# Altium PCB KlusterLab r2.0.PcbDoc (part 5 of 22)
Units mm, origin at the board's own origin, x right, y up, seen from the top; angles counter-clockwise.
Board outline 232 x 250 mm, 12 copper layers (L1 Top, L2 Inner1 (GND), L3 Inner2 (Sig), L4 Inner3 (GND), L5 Inner4 (PWR), L6 Inner5 (PWR), L7 Inner6 (PWR), L8 Inner7 (PWR), L9 Inner8 (GND), L10 Inner9 (Sig), L11 Inner10 (GND), L12 Bottom), stack 1.614 mm thick; 1169 components, 852 nets, 4679 pads, 5115 vias.
Unrouted connection lines stored in the file: 1.
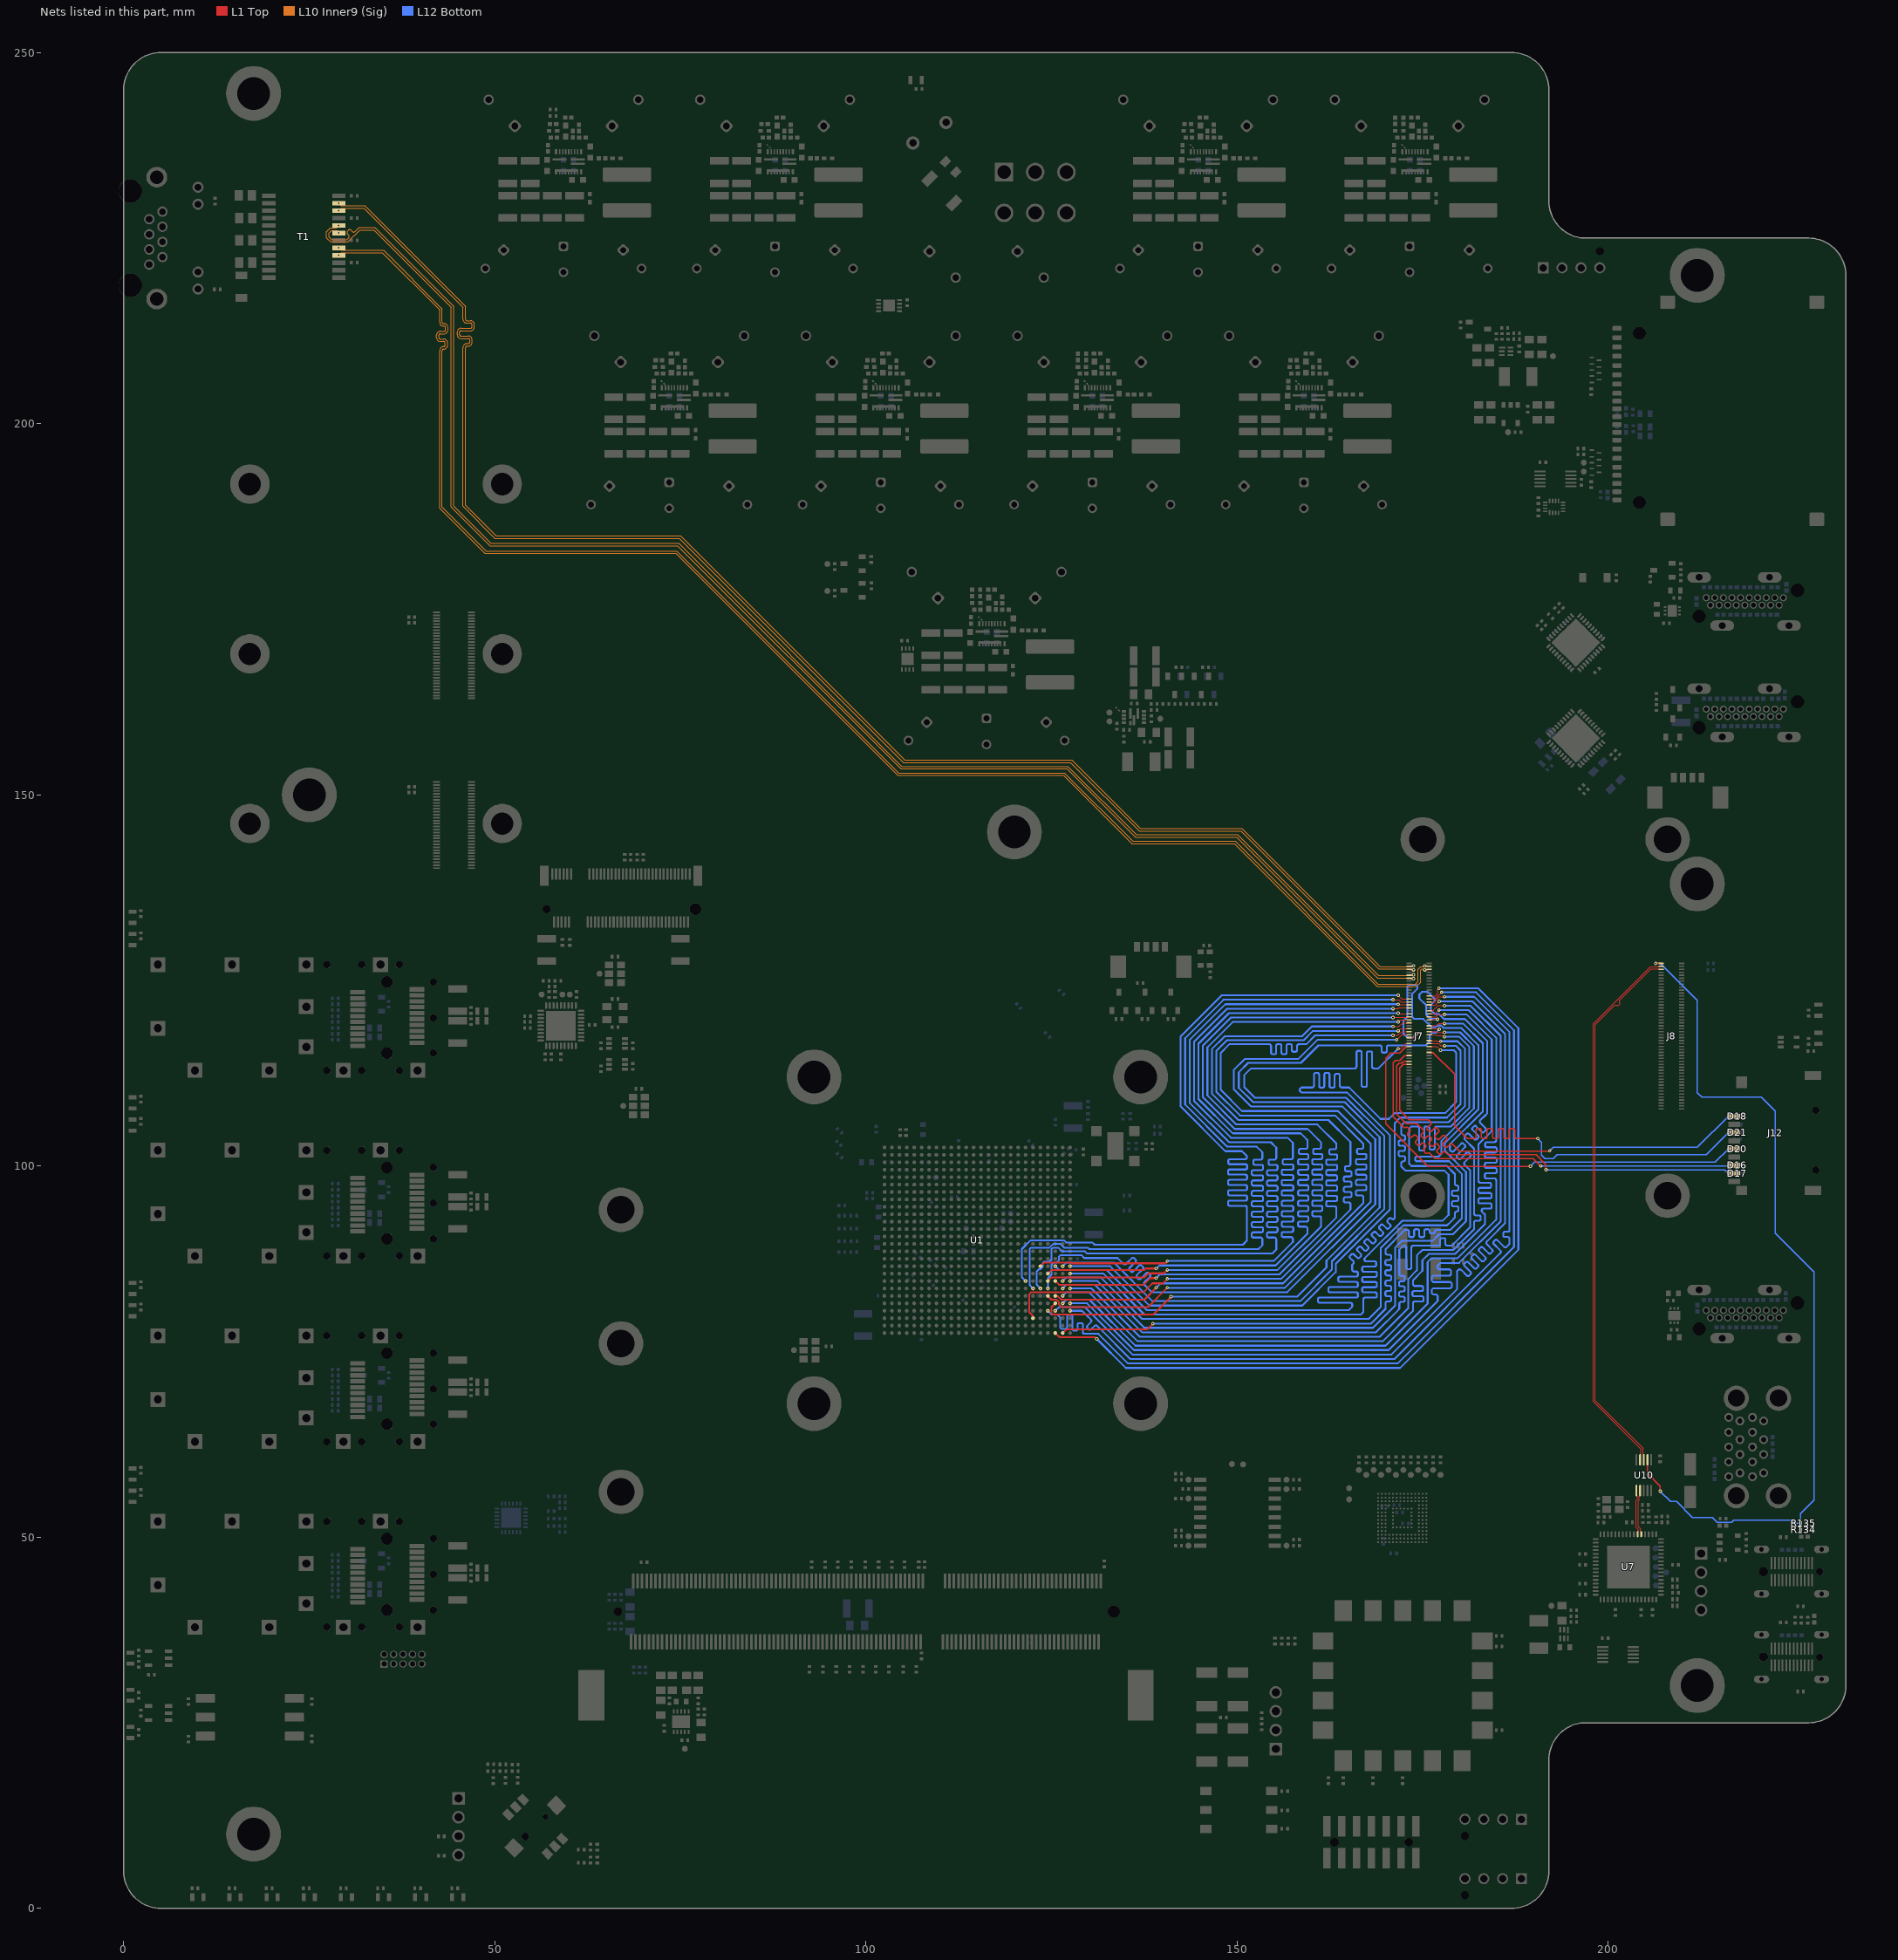
[diagram p15: the nets of this part, all layers, seen from the top]

## Via types
v1: diameter 0.45, hole 0.2, L1 Top to L12 Bottom, tented both sides, 4200 vias
v2: diameter 0.6, hole 0.3, L1 Top to L12 Bottom, tented both sides, 908 vias
v3: diameter 0.4, hole 0.2, L1 Top to L12 Bottom, tented both sides, 7 vias

## Nets (pads, with @x,y where several pads share a name; then routed paths per layer and width w, separated by ;. In a path a pad name is that pad's centre, name@x,y a point inside that pad or via, vN(x,y) a via of type N, cw(c..) or ccw(c..) an arc to the next point about the centre after c; other vN are vias at no path point) (continued)
CM4_GBE_MDI1_N: J7.6 T1.16 | length 208.3
  L1 Top w0.114: v1(175.278,126.424) 175.316,126.462 175.842,126.462 J7.6@175.88,126.5
  L10 Inner9 (Sig) w0.1: v1(28.97,222.7) 29.305,223.035 34.848,223.035 42.57,215.313 42.57,213.892 42.57,213.677 ccw(c43.11,213.677) 43.11,213.137 43.162,213.137 cw(c43.162,212.927) 43.372,212.927 43.372,212.647 cw(c43.162,212.647) 43.162,212.437 42.671,212.437 ccw(c42.671,211.897) 42.131,211.897 42.131,211.617 ccw(c42.671,211.617) 42.671,211.077 43.11,211.077 cw(c43.11,210.867) 43.32,210.867 43.32,210.587 cw(c43.11,210.587) 43.11,210.377 ccw(c43.11,209.837) 42.57,209.837 42.57,207.851 42.57,188.613 48.663,182.52 74.363,182.52 104.263,152.62 126.613,152.62 135.813,143.42 149.613,143.42 168.838,124.195 174.162,124.195 174.7,124.733 174.7,126.376 174.858,126.534 175.074,126.534 175.184,126.424 v1(175.278,126.424)
CM4_GBE_MDI1_P: J7.4 T1.17 | length 208.3
  L1 Top w0.114: v1(175.278,126.974) 175.316,126.937 175.843,126.937 J7.4@175.88,126.9
  L10 Inner9 (Sig) w0.1: v1(28.97,223.7) 29.305,223.365 34.985,223.365 42.9,215.45 42.9,213.892 42.9,213.677 ccw(c43.11,213.677) 43.11,213.467 43.162,213.467 cw(c43.162,212.927) 43.702,212.927 43.702,212.647 cw(c43.162,212.647) 43.162,212.107 42.671,212.107 ccw(c42.671,211.897) 42.461,211.897 42.461,211.617 ccw(c42.671,211.617) 42.671,211.407 43.11,211.407 cw(c43.11,210.867) 43.65,210.867 43.65,210.587 cw(c43.11,210.587) 43.11,210.047 ccw(c43.11,209.837) 42.9,209.837 42.9,207.851 42.9,188.75 48.8,182.85 74.5,182.85 74.693,182.657 104.4,152.95 126.75,152.95 135.95,143.75 149.75,143.75 168.975,124.525 174.025,124.525 174.37,124.87 174.37,126.513 174.721,126.864 175.074,126.864 175.184,126.974 v1(175.278,126.974)
CM4_GBE_MDI2_N: J7.9 T1.19 | length 208.3
  L1 Top w0.114: J7.9@173.15,125.7 173.188,125.738 173.714,125.738 v1(173.751,125.775)
  L10 Inner9 (Sig) w0.1: v1(28.97,225.7) 28.97,225.73 28.65,226.05 28,226.05 27.65,225.7 27.65,225.173 28.023,224.8 29.96,224.8 30.083,224.8 30.292,225.009 ccw(c30.094,225.207) 30.292,225.404 30.142,225.554 cw(c30.34,225.752) 30.142,225.95 30.241,226.049 cw(c30.439,225.851) 30.637,226.049 30.787,225.899 ccw(c30.985,226.097) 31.183,225.899 31.713,226.43 33.837,226.43 44.45,215.817 44.45,188.9 49.467,183.883 74.767,183.883 104.82,153.83 127.22,153.83 136.42,144.63 150.07,144.63 169.035,125.665 173.547,125.665 173.657,125.775 v1(173.751,125.775)
CM4_GBE_MDI2_P: J7.11 T1.20 | length 208.3
  L1 Top w0.114: J7.11@173.15,125.3 173.187,125.263 173.714,125.263 v1(173.751,125.225)
  L10 Inner9 (Sig) w0.1: v1(28.97,226.7) 28.65,226.38 27.863,226.38 27.32,225.837 27.32,225.036 27.886,224.47 30.22,224.47 31.85,226.1 33.7,226.1 44.12,215.68 44.12,188.763 49.33,183.553 74.63,183.553 104.683,153.5 127.083,153.5 136.283,144.3 149.933,144.3 168.898,125.335 173.547,125.335 173.657,125.225 v1(173.751,125.225)
CM4_GBE_MDI3_N: J7.5 T1.22 | length 208.3
  L1 Top w0.114: J7.5@173.15,126.5 173.187,126.463 173.714,126.463 v1(173.751,126.425)
  L10 Inner9 (Sig) w0.1: v1(28.97,228.7) 29.305,229.035 32.348,229.035 45.7,215.683 45.7,214.3 45.7,214.085 ccw(c46.24,214.085) 46.24,213.545 46.711,213.545 cw(c46.711,213.335) 46.921,213.335 46.921,213.055 cw(c46.711,213.055) 46.711,212.845 45.452,212.845 ccw(c45.452,212.305) 44.912,212.305 44.912,212.025 ccw(c45.452,212.025) 45.452,211.485 46.415,211.485 cw(c46.415,211.275) 46.625,211.275 46.625,210.995 cw(c46.415,210.995) 46.415,210.785 46.24,210.785 ccw(c46.24,210.245) 45.7,210.245 45.7,206.626 45.7,188.883 50.013,184.57 74.863,184.57 105.063,154.37 127.563,154.37 136.813,145.12 150.53,145.12 169.115,126.535 173.547,126.535 173.657,126.425 v1(173.751,126.425)
CM4_GBE_MDI3_P: J7.3 T1.23 | length 208.3
  L1 Top w0.114: J7.3@173.15,126.9 173.188,126.938 173.714,126.938 v1(173.751,126.975)
  L10 Inner9 (Sig) w0.1: v1(28.97,229.7) 29.305,229.365 32.485,229.365 46.03,215.82 46.03,215.683 46.03,214.3 46.03,214.085 ccw(c46.24,214.085) 46.24,213.875 46.711,213.875 cw(c46.711,213.335) 47.251,213.335 47.251,213.055 cw(c46.711,213.055) 46.711,212.515 45.452,212.515 ccw(c45.452,212.305) 45.242,212.305 45.242,212.025 ccw(c45.452,212.025) 45.452,211.815 46.415,211.815 cw(c46.415,211.275) 46.955,211.275 46.955,210.995 cw(c46.415,210.995) 46.415,210.455 46.24,210.455 ccw(c46.24,210.245) 46.03,210.245 46.03,206.626 46.03,189.02 50.15,184.9 75,184.9 105.2,154.7 127.7,154.7 136.95,145.45 150.667,145.45 169.251,126.865 173.547,126.865 173.657,126.975 v1(173.751,126.975)
CM4_GPIO00: J7.36 U1.AB25 | length 117.9
  L1 Top w0.1: J7.36@175.88,120.5 176.68,120.5 v1(177.202,121.022)
  L12 Bottom w0.249: v1(126.5,81.5) 127,82 130.1,82 136.3,75.8 170,75.8 175.664,81.464 175.664,87.064 176.183,87.583 179.704,87.583 184.9,92.78 184.9,97.958 184.9,98.083 ccw(c184.651,98.083) 184.651,98.332 183.572,98.332 cw(c183.572,98.541) 183.362,98.541 183.362,98.821 cw(c183.572,98.821) 183.572,99.031 184.753,99.031 ccw(c184.753,99.24) 184.963,99.24 184.963,99.52 ccw(c184.753,99.52) 184.753,99.73 183.572,99.73 cw(c183.572,99.939) 183.362,99.939 183.362,100.219 cw(c183.572,100.219) 183.572,100.429 184.753,100.429 ccw(c184.753,100.638) 184.963,100.638 184.963,100.918 ccw(c184.753,100.918) 184.753,101.128 183.572,101.128 cw(c183.572,101.337) 183.362,101.337 183.362,101.617 cw(c183.572,101.617) 183.572,101.827 184.753,101.827 ccw(c184.753,102.036) 184.963,102.036 184.963,102.316 ccw(c184.753,102.316) 184.753,102.525 183.631,102.525 cw(c183.631,102.735) 183.421,102.735 183.421,103.015 cw(c183.631,103.015) 183.631,103.224 184.651,103.224 ccw(c184.651,103.473) 184.9,103.473 184.9,105.625 184.9,117.288 181.166,121.022 v1(177.202,121.022)
CM4_GPIO01: J7.35 U1.V23 | length 123
  L1 Top w0.1: v1(171.7,120.6) 171.795,120.6 171.895,120.5 J7.35@173.15,120.5
  L1 Top w0.249: U1.V23@124.5,85.5 124.975,85.974 137.474,85.974 137.7,86.2 v1(139.1,86.2)
  L12 Bottom w0.249: v1(139.1,86.2) 139.146,86.2 139.546,86.6 155.194,86.6 159.475,90.881 159.475,91.453 159.475,91.578 ccw(c159.226,91.578) 159.226,91.827 158.423,91.827 cw(c158.423,92.037) 158.213,92.037 158.213,92.316 cw(c158.423,92.316) 158.423,92.526 159.381,92.526 ccw(c159.381,92.736) 159.591,92.736 159.591,93.015 ccw(c159.381,93.015) 159.381,93.225 158.423,93.225 cw(c158.423,93.435) 158.213,93.435 158.213,93.714 cw(c158.423,93.714) 158.423,93.924 159.381,93.924 ccw(c159.381,94.134) 159.591,94.134 159.591,94.413 ccw(c159.381,94.413) 159.381,94.623 158.423,94.623 cw(c158.423,94.833) 158.213,94.833 158.213,95.112 cw(c158.423,95.112) 158.423,95.322 159.381,95.322 ccw(c159.381,95.532) 159.591,95.532 159.591,95.811 ccw(c159.381,95.811) 159.381,96.021 158.423,96.021 cw(c158.423,96.231) 158.213,96.231 158.213,96.51 cw(c158.423,96.51) 158.423,96.72 159.381,96.72 ccw(c159.381,96.93) 159.591,96.93 159.591,97.209 ccw(c159.381,97.209) 159.381,97.419 158.423,97.419 cw(c158.423,97.629) 158.213,97.629 158.213,97.908 cw(c158.423,97.908) 158.423,98.118 159.381,98.118 ccw(c159.381,98.328) 159.591,98.328 159.591,98.607 ccw(c159.381,98.607) 159.381,98.817 158.423,98.817 cw(c158.423,99.027) 158.213,99.027 158.213,99.306 cw(c158.423,99.306) 158.423,99.516 159.381,99.516 ccw(c159.381,99.726) 159.591,99.726 159.591,100.005 ccw(c159.381,100.005) 159.381,100.215 158.423,100.215 cw(c158.423,100.425) 158.213,100.425 158.213,100.704 cw(c158.423,100.704) 158.423,100.914 159.381,100.914 ccw(c159.381,101.124) 159.591,101.124 159.591,101.403 ccw(c159.381,101.403) 159.381,101.613 158.53,101.613 cw(c158.53,101.823) 158.32,101.823 158.32,102.102 cw(c158.53,102.102) 158.53,102.312 159.226,102.312 ccw(c159.226,102.561) 159.475,102.561 159.475,103.482 159.316,103.641 158.557,104.4 149.412,104.4 144.8,109.012 144.8,116.488 148.912,120.6 155.2,120.6 v1(171.7,120.6)
CM4_GPIO02: J7.58 U1.U26 | length 121.1
  L1 Top w0.1: J7.58@175.88,116.1 176.9,116.1 v1(177.4,115.6)
  L12 Bottom w0.249: v1(127.5,86.5) 132.9,86.5 138.2,81.2 158.771,81.2 163.287,85.717 163.287,86.804 170.572,94.089 170.572,104.153 164.815,109.91 158.65,109.91 ; 158.651,109.91 158.421,110.14 158.421,110.346 158.65,110.575 159.975,110.575 160.1,110.575 ccw(c160.1,110.824) 160.349,110.824 160.349,112.321 cw(c160.558,112.321) 160.558,112.531 160.838,112.531 cw(c160.838,112.321) 161.048,112.321 161.048,110.777 ccw(c161.257,110.777) 161.257,110.568 161.537,110.568 ccw(c161.537,110.777) 161.747,110.777 161.747,112.321 cw(c161.956,112.321) 161.956,112.531 162.236,112.531 cw(c162.236,112.321) 162.446,112.321 162.446,110.777 ccw(c162.655,110.777) 162.655,110.568 162.935,110.568 ccw(c162.935,110.777) 163.145,110.777 163.145,112.198 cw(c163.354,112.198) 163.354,112.408 163.634,112.408 cw(c163.634,112.198) 163.844,112.198 163.844,110.824 ccw(c164.092,110.824) 164.092,110.575 164.7,110.575 165.09,110.575 169.313,106.352 170.455,106.352 171.224,107.121 178.021,107.121 179.5,108.6 179.5,115.3 179.199,115.601 v1(177.4,115.6)
CM4_GPIO03: J7.56 U1.U24 | length 123.9
  L1 Top w0.1: J7.56@175.88,116.5 177.131,116.5 177.43,116.2 v1(177.93,116.2)
  L12 Bottom w0.249: v1(125.507,86.493) 125.572,86.428 126,86 132.4,86 137.8,80.6 165.066,80.6 165.5,81.034 165.5,81.215 165.5,81.34 ccw(c165.251,81.34) 165.251,81.589 161.109,81.589 cw(c161.109,81.799) 160.899,81.799 160.899,82.078 cw(c161.109,82.078) 161.109,82.288 166.061,82.288 ccw(c166.061,82.498) 166.271,82.498 166.271,82.777 ccw(c166.061,82.777) 166.061,82.987 162.507,82.987 cw(c162.507,83.197) 162.297,83.197 162.297,83.476 cw(c162.507,83.476) 162.507,83.686 166.061,83.686 ccw(c166.061,83.896) 166.271,83.896 166.271,84.175 ccw(c166.061,84.175) 166.061,84.385 163.835,84.385 cw(c163.835,84.595) 163.626,84.595 163.626,84.874 cw(c163.835,84.874) 163.835,85.084 166.061,85.084 ccw(c166.061,85.294) 166.271,85.294 166.271,85.573 ccw(c166.061,85.573) 166.061,85.783 165.749,85.783 cw(c165.749,86.032) 165.5,86.032 165.5,86.694 165.555,86.749 165.643,86.837 ccw(c165.467,87.013) 165.643,87.189 165.216,87.616 cw(c165.364,87.764) 165.216,87.913 165.413,88.11 cw(c165.562,87.962) 165.71,88.11 166.17,87.65 ccw(c166.318,87.799) 166.466,87.65 166.664,87.848 ccw(c166.516,87.996) 166.664,88.145 166.204,88.604 cw(c166.352,88.753) 166.204,88.901 166.402,89.099 cw(c166.55,88.95) 166.698,89.099 167.158,88.639 ccw(c167.306,88.787) 167.455,88.639 167.652,88.837 ccw(c167.504,88.985) 167.652,89.133 167.193,89.593 cw(c167.341,89.741) 167.193,89.89 167.39,90.087 cw(c167.539,89.939) 167.687,90.087 168.147,89.628 ccw(c168.295,89.776) 168.443,89.628 168.641,89.825 ccw(c168.493,89.973) 168.641,90.122 168.181,90.582 cw(c168.329,90.73) 168.181,90.878 168.379,91.076 cw(c168.527,90.928) 168.675,91.076 169.135,90.616 ccw(c169.283,90.764) 169.432,90.616 169.629,90.814 ccw(c169.481,90.962) 169.629,91.11 169.17,91.57 cw(c169.318,91.718) 169.17,91.867 169.367,92.064 cw(c169.516,91.916) 169.664,92.064 170.124,91.605 ccw(c170.272,91.753) 170.42,91.605 170.618,91.802 ccw(c170.47,91.951) 170.618,92.099 170.28,92.436 cw(c170.429,92.585) 170.28,92.733 170.478,92.931 cw(c170.626,92.782) 170.775,92.931 170.8,92.905 ccw(c170.976,93.081) 171.225,93.081 171.225,93.441 171.225,105.772 171.974,106.521 178.269,106.521 180.1,108.351 180.1,115.549 179.448,116.201 v1(177.93,116.2)
CM4_GPIO04: J7.54 U1.V26 | length 120.5
  L1 Top w0.1: J7.54@175.88,116.9 175.93,116.85 176.88,116.85 176.93,116.8 v1(177.43,116.8)
  L12 Bottom w0.249: v1(127.5,85.5) 132,85.5 137.5,80 166.673,80 167,80.327 167,81.198 167,82.022 cw(c167.249,82.022) 167.249,82.271 168.62,82.271 ccw(c168.62,82.48) 168.83,82.48 168.83,82.76 ccw(c168.62,82.76) 168.62,82.97 167.066,82.97 cw(c167.066,83.179) 166.856,83.179 166.856,83.459 cw(c167.066,83.459) 167.066,83.669 168.62,83.669 ccw(c168.62,83.878) 168.83,83.878 168.83,84.158 ccw(c168.62,84.158) 168.62,84.368 167.066,84.368 cw(c167.066,84.577) 166.856,84.577 166.856,84.857 cw(c167.066,84.857) 167.066,85.067 168.62,85.067 ccw(c168.62,85.276) 168.83,85.276 168.83,85.556 ccw(c168.62,85.556) 168.62,85.766 167.066,85.766 cw(c167.066,85.975) 166.856,85.975 166.856,86.255 cw(c167.066,86.255) 167.066,86.465 168.523,86.465 ccw(c168.523,86.674) 168.733,86.674 168.733,86.954 ccw(c168.523,86.954) 168.523,87.164 167.383,87.164 cw(c167.383,87.413) 167.207,87.589 167.741,88.123 172.234,92.615 177.68,92.615 178.482,93.417 178.482,98.837 177.919,99.4 172.661,99.4 172.351,99.71 172.226,99.835 172.117,99.944 172.118,100.39 cw(c172.367,100.39) 172.367,100.639 172.413,100.639 ccw(c172.413,100.848) 172.622,100.848 172.622,101.128 ccw(c172.413,101.128) 172.413,101.338 171.954,101.338 cw(c171.954,101.547) 171.744,101.547 171.744,101.827 cw(c171.954,101.827) 171.954,102.037 172.415,102.037 ccw(c172.415,102.246) 172.625,102.246 172.625,102.526 ccw(c172.415,102.526) 172.415,102.736 171.956,102.736 cw(c171.956,102.945) 171.746,102.945 171.746,103.225 cw(c171.956,103.225) 171.956,103.435 172.417,103.435 ccw(c172.417,103.644) 172.627,103.644 172.627,103.924 ccw(c172.417,103.924) 172.417,104.134 172.373,104.134 cw(c172.373,104.383) 172.124,104.383 172.125,105.351 172.125,105.476 172.125,105.491 ; v1@177.43,116.801 179.696,116.801 180.7,115.797 180.7,108.103 178.518,105.921 172.556,105.921 172.167,105.533 ; 172.125,105.491 172.167,105.533 ; 172.125,105.491 172.167,105.533
CM4_GPIO05: J7.34 U1.AB26 | length 116.6
  L1 Top w0.1: J7.34@175.88,120.9 176.35,120.9 177.05,121.6 v1(177.93,121.6)
  L12 Bottom w0.249: v1(127.5,81.5) 129.8,81.5 136.1,75.2 170.4,75.2 177.012,81.812 177.012,82.385 177.012,82.51 176.842,82.679 176.411,82.679 176.241,82.849 176.241,83.359 176.411,83.528 178.74,83.528 178.91,83.698 178.91,84.208 178.74,84.377 176.411,84.377 176.241,84.547 176.241,85.057 176.411,85.226 178.634,85.226 178.804,85.396 178.804,85.906 178.634,86.075 177.182,86.075 177.012,86.245 177.012,86.571 177.304,86.863 177.384,86.943 179.916,86.943 185.5,92.527 185.5,117.537 181.436,121.601 v1(177.93,121.6)
CM4_GPIO06: J7.30 U1.AC24 | length 121
  L1 Top w0.1: J7.30@175.88,121.7 176.726,121.7 v1(177.217,122.19)
  L12 Bottom w0.249: v1(125.5,80.5) 126,81 129.5,81 135.9,74.6 170.8,74.6 179.646,83.446 179.646,85.232 179.646,85.836 179.824,86.015 cw(c180,85.838) 180.176,86.015 180.959,85.232 ccw(c181.107,85.38) 181.255,85.232 181.453,85.43 ccw(c181.305,85.578) 181.453,85.726 180.63,86.549 cw(c180.779,86.697) 180.63,86.845 180.828,87.043 cw(c180.976,86.895) 181.125,87.043 181.947,86.22 ccw(c182.096,86.369) 182.244,86.22 182.442,86.418 ccw(c182.293,86.566) 182.442,86.715 181.619,87.537 cw(c181.767,87.686) 181.619,87.834 181.817,88.032 cw(c181.965,87.883) 182.113,88.032 182.936,87.209 ccw(c183.084,87.357) 183.232,87.209 183.43,87.407 ccw(c183.282,87.555) 183.43,87.703 182.608,88.526 cw(c182.756,88.674) 182.608,88.822 182.805,89.02 cw(c182.954,88.872) 183.102,89.02 183.879,88.243 ccw(c184.028,88.391) 184.176,88.243 184.374,88.44 ccw(c184.225,88.589) 184.374,88.737 183.636,89.474 cw(c183.812,89.65) 183.636,89.827 183.991,90.181 186.1,92.29 186.1,117.785 181.685,122.201 177.227,122.201 v1(177.217,122.19)
CM4_GPIO07: J7.37 U1.W23 | length 121.8
  L1 Top w0.1: v1(171,120) 171.05,120.05 173.1,120.05 J7.37@173.15,120.1
  L1 Top w0.249: U1.W23@124.5,84.5 125,85 137.5,85 138.051,85.551 140.151,85.551 v1(140.6,86)
  L12 Bottom w0.249: v1(140.6,86) 155.443,86 161.313,91.87 161.313,92.863 161.313,92.988 ccw(c161.064,92.988) 161.064,93.237 160.334,93.237 cw(c160.334,93.446) 160.124,93.446 160.124,93.726 cw(c160.334,93.726) 160.334,93.936 161.271,93.936 ccw(c161.271,94.145) 161.481,94.145 161.481,94.425 ccw(c161.271,94.425) 161.271,94.635 160.334,94.635 cw(c160.334,94.844) 160.124,94.844 160.124,95.124 cw(c160.334,95.124) 160.334,95.334 161.271,95.334 ccw(c161.271,95.543) 161.481,95.543 161.481,95.823 ccw(c161.271,95.823) 161.271,96.033 160.334,96.033 cw(c160.334,96.242) 160.124,96.242 160.124,96.522 cw(c160.334,96.522) 160.334,96.732 161.271,96.732 ccw(c161.271,96.941) 161.481,96.941 161.481,97.221 ccw(c161.271,97.221) 161.271,97.431 160.334,97.431 cw(c160.334,97.64) 160.124,97.64 160.124,97.92 cw(c160.334,97.92) 160.334,98.129 161.271,98.129 ccw(c161.271,98.339) 161.481,98.339 161.481,98.619 ccw(c161.271,98.619) 161.271,98.828 160.334,98.828 cw(c160.334,99.038) 160.124,99.038 160.124,99.318 cw(c160.334,99.318) 160.334,99.527 161.271,99.527 ccw(c161.271,99.737) 161.481,99.737 161.481,100.017 ccw(c161.271,100.017) 161.271,100.226 160.334,100.226 cw(c160.334,100.436) 160.124,100.436 160.124,100.716 cw(c160.334,100.716) 160.334,100.925 161.271,100.925 ccw(c161.271,101.135) 161.481,101.135 161.481,101.415 ccw(c161.271,101.415) 161.271,101.624 160.454,101.624 cw(c160.454,101.834) 160.244,101.834 160.244,102.114 cw(c160.454,102.114) 160.454,102.323 161.064,102.323 ccw(c161.064,102.572) 161.313,102.572 161.313,103.187 160.912,103.588 159.5,105 149.66,105 145.4,109.26 145.4,116.24 149.16,120 155.2,120 v1(171,120)
CM4_GPIO08: J7.39 U1.W24 | length 121.7
  L1 Top w0.1: v1(171.7,119.4) 172,119.7 J7.39@173.15,119.7
  L1 Top w0.249: U1.W24@125.5,84.5 126,84 137.4,84 138.3,84.9 v1(139.1,84.9)
  L12 Bottom w0.249: v1(139.1,84.9) 139.6,85.4 155.691,85.4 163.376,93.085 163.376,94.199 163.376,94.324 ccw(c163.127,94.324) 163.127,94.573 162.2,94.573 cw(c162.2,94.782) 161.99,94.782 161.99,95.062 cw(c162.2,95.062) 162.2,95.272 163.279,95.272 ccw(c163.279,95.481) 163.489,95.481 163.489,95.761 ccw(c163.279,95.761) 163.279,95.971 162.2,95.971 cw(c162.2,96.18) 161.99,96.18 161.99,96.46 cw(c162.2,96.46) 162.2,96.67 163.279,96.67 ccw(c163.279,96.879) 163.489,96.879 163.489,97.159 ccw(c163.279,97.159) 163.279,97.369 162.2,97.369 cw(c162.2,97.578) 161.99,97.578 161.99,97.858 cw(c162.2,97.858) 162.2,98.068 163.279,98.068 ccw(c163.279,98.277) 163.489,98.277 163.489,98.557 ccw(c163.279,98.557) 163.279,98.767 162.2,98.767 cw(c162.2,98.976) 161.99,98.976 161.99,99.256 cw(c162.2,99.256) 162.2,99.466 163.279,99.466 ccw(c163.279,99.675) 163.489,99.675 163.489,99.955 ccw(c163.279,99.955) 163.279,100.165 162.2,100.165 cw(c162.2,100.374) 161.99,100.374 161.99,100.654 cw(c162.2,100.654) 162.2,100.864 163.279,100.864 ccw(c163.279,101.073) 163.489,101.073 163.489,101.353 ccw(c163.279,101.353) 163.279,101.563 162.628,101.563 cw(c162.628,101.772) 162.418,101.772 162.418,102.052 cw(c162.628,102.052) 162.628,102.262 163.127,102.262 ccw(c163.127,102.511) 163.376,102.511 163.376,103.013 163.376,103.024 160.8,105.6 149.909,105.6 146,109.509 146,115.991 149.409,119.4 155.2,119.4 v1(171.7,119.4)
CM4_GPIO09: J7.40 U1.Y26 | length 120
  L1 Top w0.1: J7.40@175.88,119.7 176.382,119.7 176.482,119.8 176.987,119.8 v1(176.997,119.79)
  L12 Bottom w0.249: v1(127.5,83.5) 130.4,83.5 136.9,77 169.2,77 173.072,80.872 173.072,84.798 174.218,85.944 174.218,87.961 174.952,88.695 179.123,88.695 181.751,91.323 181.925,91.497 181.925,92.395 cw(c182.174,92.395) 182.174,92.644 182.616,92.644 ccw(c182.616,92.854) 182.826,92.854 182.826,93.134 ccw(c182.616,93.134) 182.616,93.343 182.174,93.343 cw(c182.174,93.592) 181.925,93.592 181.925,94.304 181.925,102.325 180.646,103.604 180.646,103.624 180.646,104.046 180.915,104.316 cw(c181.091,104.139) 181.267,104.316 181.98,103.603 ccw(c182.128,103.751) 182.276,103.603 182.474,103.801 ccw(c182.326,103.949) 182.474,104.097 181.715,104.856 cw(c181.863,105.005) 181.715,105.153 181.912,105.351 cw(c182.061,105.202) 182.209,105.351 182.968,104.592 ccw(c183.116,104.74) 183.265,104.592 183.462,104.789 ccw(c183.314,104.937) 183.462,105.086 182.75,105.798 cw(c182.926,105.974) 182.75,106.15 183.446,106.846 183.7,107.101 183.7,116.791 180.69,119.801 177.863,119.801 177.196,120.468 176.636,120.468 176.099,121.006 176.099,121.678 176.61,122.189 176.61,122.53 175.681,123.459 174.889,123.459 174.55,123.121 174.55,122.575 175.461,121.664 175.461,120.387 176.055,119.794 v1@176.993,119.794